# Altium PCB power.PcbDoc (part 2 of 2) (continued)
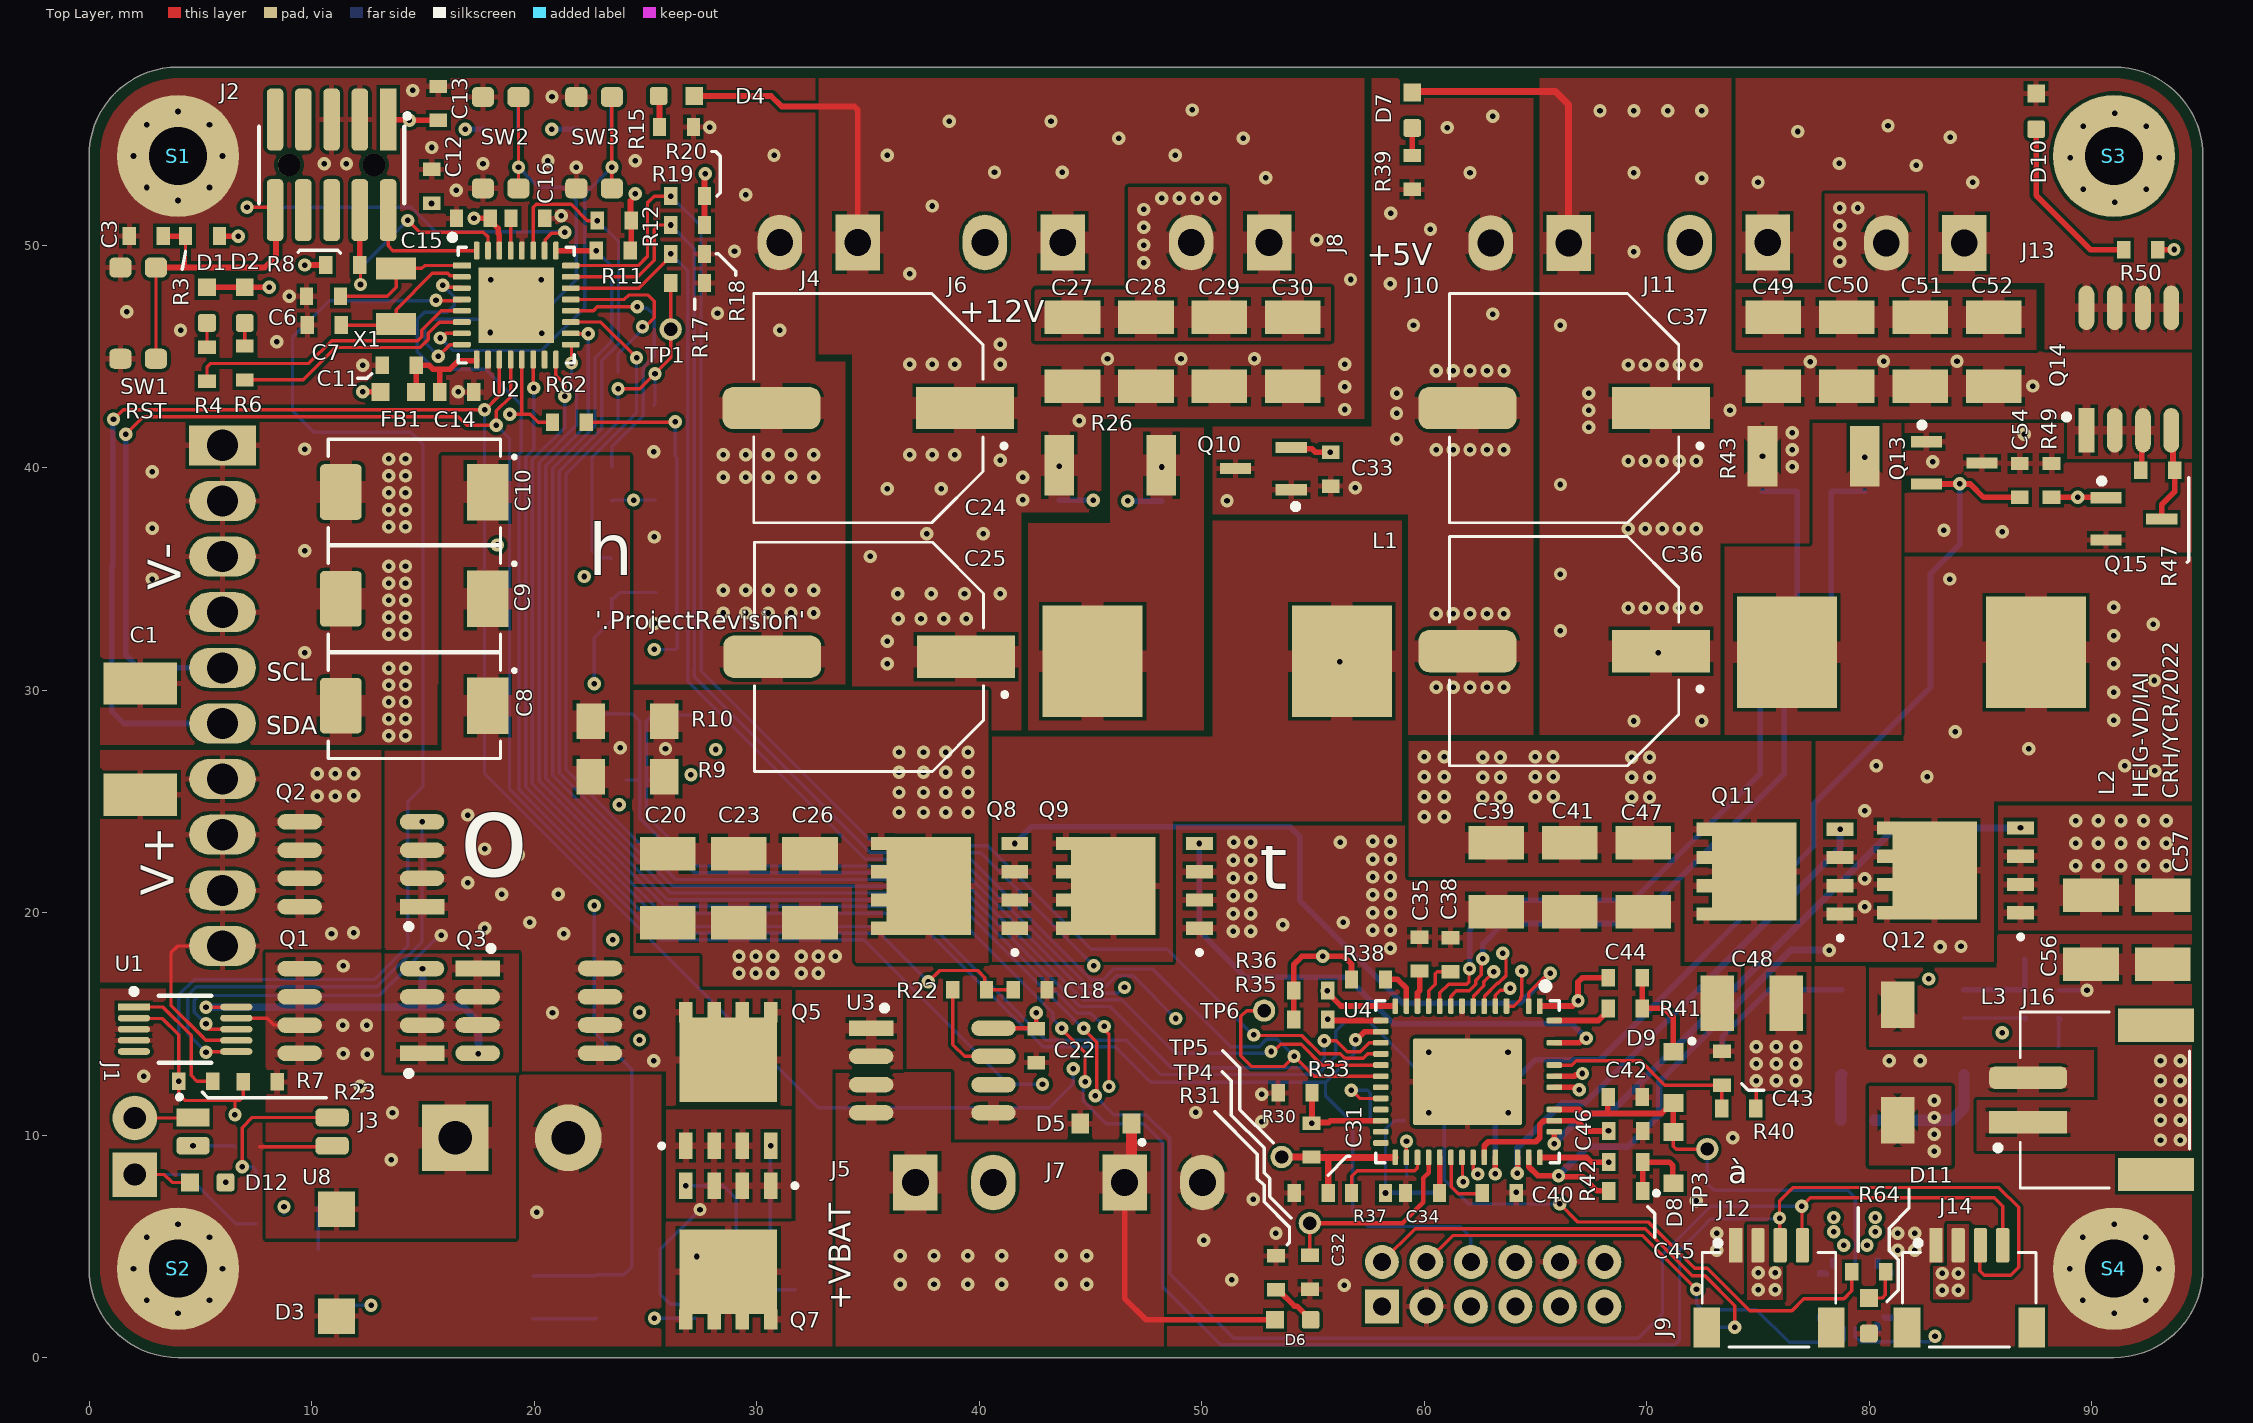
[diagram p0: Top Layer view]
## Nets (pads, with @x,y where several pads share a name; then routed paths per layer and width w, separated by ;. In a path a pad name is that pad's centre, name@x,y a point inside that pad or via, vN(x,y) a via of type N, cw(c..) or ccw(c..) an arc to the next point about the centre after c; other vN are vias at no path point) (continued)
NetD12_2: D12.2 R27.1 | length 3.4
  Top Layer w0.15: D12.2@6.134,7.874 v1(6.147,7.887) D12.2@6.16,7.899
  Inner 2 w0.15: v1(6.147,7.887) 7.252,6.782 v1(8.763,6.782)
  Bottom Layer w0.15: R27.1@8.748,6.462 R27.1@8.966,6.68
NetJ1_2: J1.2 U8.1 | length 2.2
  Top Layer w0.15: J1.2@2.057,10.77 4.266,10.77 U8.1@4.291,10.744
NetL1_1: L1.1 R26.2 R55.2 | length 0.2
  Top Layer w0.254: L1.1@45.1,31.05 L1.1@45.1,31.3
  other v1: 48.2,40.024
NetL2_1: L2.1 R43.2 R52.2
  other v1: 79.8,40.462
NetQ1_1: Q1.1 Q1.2 Q1.3 Q3.1 Q3.2 Q3.3
NetQ1_4: Q1.4 Q3.4 U1.10 | length 17.1
  Top Layer w0.152: v1(5.258,15.748) 5.263,15.753 6.613,15.753 U1.10@6.618,15.757
  Top Layer w0.35: Q1.4@14.966,17.485 14.976,17.485 v1(14.986,17.475) ; Q3.4@17.466,13.68 17.486,13.68 v1(17.501,13.665)
  Bottom Layer w0.35: v1(5.258,15.748) 14.986,15.748 ; v1(14.986,17.475) 14.986,15.748 ; v1(17.501,13.665) 17.501,15.088 16.84,15.748 14.986,15.748
NetQ2_4: Q2.4 U1.6 | length 21.2
  Top Layer w0.152: v1(5.258,13.731) 5.271,13.744 6.605,13.744 U1.6@6.618,13.757
  Bottom Layer w0.152: v1@5.252,13.737 4.429,14.56 4.429,16.27 4.822,16.662 12.929,16.662 14.966,18.7 v1(14.966,24.079)
NetQ4_1: Q4.1 Q6.1 Q16.1 Q17.1 R62.1 | length 54.4
  Top Layer w0.152: R62.1@22.352,42.037 26.314,42.037 v1(26.34,42.062)
  Inner 2 w0.15: v1(12.675,2.362) 12.675,11.455 18.72,17.501 23.749,17.501 25.383,19.135 25.383,31.809 v1(25.4,31.826)
  Bottom Layer w0.15: Q6.1@11.252,2.362 v1(12.675,2.362) ; v1(25.4,31.826) 26.373,31.826 Q16.1@26.433,31.886
  Bottom Layer w0.152: v1(26.34,42.062) 26.34,40.508 26.416,40.432 26.416,32.97 26.433,32.954 Q16.1@26.433,31.886
NetQ5_1: Q5.1 Q5.2 Q5.3 Q7.1 Q7.2 Q7.3 U7.3 | length 6.4
  Bottom Layer w0.152: U7.3@27.311,2.393 26.131,2.393 25.679,2.845 25.679,4.877 v1(27.457,6.655)
NetQ5_4: Q5.4 R21.2 | length 4.9
  Bottom Layer w0.152: R21.2@30.607,4.674 30.607,9.497 v1(30.632,9.522)
NetQ6_3: Q6.3 R27.2 | length 1.9
  Bottom Layer w0.15: R27.2@10.287,6.782 10.302,6.767 Q6.3@10.302,4.862
NetQ7_4: Q7.4 R14.2 R21.1 U7.2 | length 8.4
  Bottom Layer w0.152: v1(26.822,7.724) 28.496,7.724 29.083,7.137 R21.1@29.083,4.674 29.083,3.073 R14.2@29.058,3.048 29.052,3.043 U7.2@27.244,3.043
NetQ7_5: Q7.5 Q7.6 Q7.7 Q7.8 U3.1 U3.2 U7.1 | length 0.9
  Bottom Layer w0.152: v1(27.305,4.547) 27.311,4.54 U7.1@27.311,3.693
NetQ8_4: Q8.4 U4.2 | length 32
  Top Layer w0.152: Q8.4@41.407,23.105 v1(41.6,23.105) ; U4.2@64.7,15.8 64.7,16.389 65.587,17.275 v1(65.66,17.275)
  Bottom Layer w0.254: v1(41.6,23.105) 42.346,23.851 53.975,23.851 54.254,23.571 54.258,23.571 54.407,23.422 54.407,20.549 59.03,15.926 64.31,15.926 v1(65.66,17.275)
NetQ9_4: Q9.4 U4.50 | length 25
  Top Layer w0.152: Q9.4@49.707,23.105 v1(49.9,23.105)
  Top Layer w0.254: U4.50@65.847,14.149 66.982,14.149 67.188,14.355 v1(67.281,14.355)
  Bottom Layer w0.254: v1(49.9,23.105) 49.9,19.163 51.968,17.094 56.54,17.094 58.623,15.011 66.625,15.011 v1(67.281,14.355)
NetQ11_4: Q11.4 U4.38 | length 23.4
  Top Layer w0.254: v1(64.185,8.28) 64.2,8.294 U4.38@64.2,8.998 ; Q11.4@78.5,23.749 78.652,23.826 78.845,23.922 v1(78.692,23.749)
  Bottom Layer w0.305: v1(64.185,8.28) 64.184,8.281 64.184,9.424 66.191,11.431 67.216,11.431 78.69,22.905 78.69,23.747 v1(78.692,23.749)
NetQ12_4: Q12.4 U4.42 | length 27.6
  Top Layer w0.152: U4.42@65.844,10.146 U4.42@65.847,10.149
  Top Layer w0.254: v1(65.844,9.62) U4.42@65.844,10.146 ; Q12.4@86.607,23.805 v1(86.8,23.805)
  Bottom Layer w0.152: v1(65.844,9.62) v1@65.853,9.62
  Bottom Layer w0.305: v1@65.853,9.62 65.853,9.629 67.2,10.976 68.33,10.976 81.158,23.805 v1(86.8,23.805)
NetQ14_4: Q14.4 Q15.3 R47.1 | length 4.4
  Top Layer w0.254: Q15.3@93.148,37.592 93.148,38.335 93.726,38.913 R47.1@93.726,39.878 ; Q14.4@93.574,41.676 93.65,41.599 R47.1@93.65,39.878
NetR1_2: R1.2 U8.2 | length 2.3
  Top Layer w0.15: U8.2@4.329,9.512 4.342,9.525 v1(4.674,9.525)
  Bottom Layer w0.15: v1(4.674,9.525) 6.502,9.525 R1.2@6.553,9.474
NetR22_1: R22.1 U3.7 | length 4.5
  Top Layer w0.152: R22.1@38.811,16.535 38.811,14.072 39.345,13.538 U3.7@40.646,13.538
NetR23_2: R23.2 U1.1 | length 6
  Top Layer w0.152: U1.1@2.018,15.757 3.318,15.757 4.59,14.485 4.59,12.682 4.851,12.421 R23.2@5.563,12.421
NetR24_1: R24.1 U4.28 | length 2.3
  Top Layer w0.152: U4.28@59.2,8.998 59.204,9.001 59.204,9.724 v1(59.207,9.728)
  Bottom Layer w0.152: v1(59.207,9.728) 59.207,8.204 R24.1@59.233,8.179
NetR30_1: R30.1 R33.2 U4.24 | length 4.5
  Top Layer w0.254: v1(54.94,10.541) R30.1@54.962,10.563 ; R33.2@54.962,11.9 R30.1@54.962,10.563 ; U4.24@58.054,10.649 55.785,10.649 55.702,10.566 54.966,10.566 R30.1@54.962,10.563
NetR37_1: R37.1 U4.29 | length 4.3
  Top Layer w0.152: R37.1@56.738,7.4 56.738,8.152 56.987,8.401 59.577,8.401 59.7,8.524 U4.29@59.7,8.998
NetR38_1: R38.1 U4.13 | length 1.9
  Top Layer w0.254: R38.1@58.262,17 58.8,17 59.2,16.6 U4.13@59.2,15.8
NetR41_1: R41.1 U4.52 | length 2.7
  Top Layer w0.254: U4.52@65.847,15.149 67.827,15.149 68.275,15.597 R41.1@68.275,15.697
NetR42_1: R42.1 U4.40 | length 3.2
  Top Layer w0.254: U4.40@65.2,8.998 67.304,8.998 67.513,8.788 v1(68.301,8.788)
NetR44_2: R44.2 U5.4 | length 7.1
  Bottom Layer w0.254: R44.2@73.406,13.589 73.406,14.43 75.512,16.535 U5.4@78.76,16.535
NetR45_2: R45.2 R46.1 U5.5 | length 4.1
  Bottom Layer w0.254: U5.5@84.258,16.535 86.97,16.535 R46.1@86.995,16.51 R45.2@86.995,17.907
NetR51_2: R51.2 U5.6 | length 2.8
  Bottom Layer w0.152: U5.6@84.258,15.265 86.97,15.265 R51.2@86.995,15.24
  Bottom Layer w0.254: R51.2@86.995,15.24 R51.2@87.005,15.25
NetR60_2: R60.2 R61.1 U4.22 | length 3.6
  Top Layer w0.15: v1(56.718,12.014) 56.73,12.014 57.095,11.649 U4.22@58.054,11.649
  Bottom Layer w0.15: v1(56.718,12.014) 57.455,12.014 R61.1@57.582,11.887 R60.2@57.582,10.668
nFAULT-5V: R20.1 U2.24 U4.18 | length 66.9
  Top Layer w0.152: U2.24@21.649,49.078 24.673,49.078 25.098,49.502 25.098,51.898 25.4,52.2 v1(26.138,52.2) ; v1(52.349,14.502) 52.374,14.478 54.508,14.478 55.338,13.649 56.225,13.649 56.422,13.451 57.261,13.451 57.458,13.649 U4.18@58.054,13.649
  Bottom Layer w0.152: v1(26.138,52.2) 27.503,50.835 27.503,32.94 27.514,32.93 27.514,30.842 35.355,23 40.398,23 45.047,18.351 48.452,18.351 52.301,14.502 v1(52.349,14.502)
nFAULT-12V: R12.1 U2.27 U4.17 | length 75.3
  Top Layer w0.152: 19.961,50.706 19.961,51.694 20.103,51.835 21.665,51.835 22.4,51.1 v1(22.838,51.1) ; U2.27@19.962,49.749 19.962,50.706 ; v1(55.509,14.246) 56.055,14.246 56.548,13.754 57.135,13.754 57.531,14.149 U4.17@58.054,14.149
  Bottom Layer w0.152: v1(22.838,51.1) 23.797,50.141 23.797,45.559 23.043,44.805 23.043,41.747 21.136,39.84 21.136,26.29 26.24,21.186 39.127,21.186 44.535,15.778 45.893,15.778 48.646,13.025 54.488,13.025 54.494,13.031 55.102,13.031 55.509,13.438 v1(55.509,14.246)
nRESET: C3.2 J2.10 R3.1 SW1.2 U2.26 | length 31.8
  Top Layer w0.15: SW1.2@3.01,44.889 SW1.2@3.01,48.989 ; 4.293,48.989 4.338,49.035 R3.1@4.338,50.4
  Top Layer w0.152: v1(7.1,51.7) 8.225,51.7 J2.10@8.36,51.565 ; U2.26@20.47,49.749 20.494,49.773 20.494,50.237 20.785,50.527 21.327,50.527 v1(21.374,50.574)
  Top Layer w0.254: SW1.2@3.01,48.989 4.293,48.989 7.889,48.989 8.4,49.5 8.4,51.525 J2.10@8.36,51.565 ; C3.2@3.337,50.4 R3.1@4.338,50.4
  Bottom Layer w0.152: v1(7.1,51.7) 14.475,51.7 15.575,50.6 21.348,50.6 v1(21.374,50.574)
PB1: C62.2 R57.1 SW3.2 U2.7 | length 22.6
  Top Layer w0.152: v1(15.778,45.822) 15.83,45.822 16.038,46.03 U2.7@16.751,46.03 ; SW3.2@23.5,52.55 SW3.2@23.5,56.65
  Bottom Layer w0.152: v1(15.778,45.822) 16.337,45.263 20.345,45.263 22.274,47.191 22.274,52.274 v1(23.5,53.5) 23.5,55.162 R57.1@23.462,55.2 23.437,55.225 C62.2@23.437,56.6
PB2: C63.2 R58.1 SW2.2 U2.8 | length 24.5
  Top Layer w0.152: v1(15.7,45) 16.222,45.522 U2.8@16.751,45.522 ; SW2.2@19.3,52.55 v1(19.3,53.5) SW2.2@19.3,56.65
  Bottom Layer w0.152: v1(15.7,45) 15.1,45.6 15.1,46.342 15.429,46.671 20.128,46.671 21.9,48.443 21.9,52 21.3,52.6 20.2,52.6 v1(19.3,53.5) 19.3,55.162 R58.1@19.262,55.2 19.262,56.575 C63.2@19.237,56.6
PGOOD-5V: R11.1 U2.25 U4.33 | length 77.8
  Top Layer w0.152: v1(45.616,14.885) 45.616,14.763 45.837,14.543 v1(45.837,12.185) ; U4.33@61.7,8.998 61.724,8.974 61.724,7.92 v1(61.747,7.897)
  Top Layer w0.254: U2.25@20.978,49.749 v1(22.8,49.749)
  Inner 2 w0.152: v1@45.844,12.192 47.749,10.287 50.825,10.287 53.162,7.95 61.694,7.95 v1(61.747,7.897)
  Bottom Layer w0.152: v1(22.8,49.749) 23.495,49.054 23.495,45.684 22.741,44.93 22.741,41.872 20.834,39.966 20.834,26.164 26.115,20.883 39.002,20.883 44.409,15.476 45.025,15.476 v1(45.616,14.885)
PGOOD-12V: R19.1 U2.23 U4.34 | length 83.5
  Top Layer w0.152: U2.23@21.649,48.57 23.314,48.57 23.317,48.572 24.654,48.572 25.4,49.318 25.4,50.711 25.589,50.9 v1(26.138,50.9) ; v1@62.2,8.437 U4.34@62.2,8.998
  Inner 2 w0.152: v1(45.156,17.608) 43.161,17.608 41.453,15.9 41.453,12.141 43.609,9.985 50.594,9.985 53.052,7.527 54.613,7.527 55.29,6.85 62.095,6.85 62.484,7.239 62.484,8.175 v1(62.408,8.251)
  Bottom Layer w0.152: v1(26.138,50.9) 27.201,49.837 27.201,32.815 27.211,32.805 27.211,30.967 27.201,30.957 27.201,30.609 35.113,22.698 40.067,22.698 v1(45.156,17.608)
PSU_I2C.SCL: J9.4 J15.5 R34.1 R36.1 U2.12 U4.14 U6.19 | length 143.1
  Top Layer w0.15: 16.5,42.289 16.583,42.289 16.971,41.9 v1(18.3,41.9) 18.3,42.542 18.946,43.188 U2.12@18.946,44.851 ; v1(55.651,16.485) 55.651,16.489 R36.1@55.662,16.5 ; J9.4@60.1,4.3 61.286,5.486 69.825,5.486 v1(72.238,3.073)
  Top Layer w0.152: v1(1.651,41.504) 2.436,42.289 16.5,42.289
  Top Layer w0.254: R36.1@55.762,16.3 56.262,15.8 U4.14@58.7,15.8
  Inner 2 w0.15: v1(42.85,12.294) 42.85,13.36 43.078,13.589 43.358,13.868 49.835,13.868 52.451,16.485 v1(55.651,16.485) 55.695,16.441 56.177,16.441 60.909,11.709 61.925,11.709 65.325,8.309 65.325,6.581 64.246,5.501 61.301,5.501 J9.4@60.1,4.3
  Bottom Layer w0.15: v1(18.3,41.9) 18.898,41.302 18.898,25.536 25.66,18.774 34.82,18.774 41.3,12.294 v1(42.85,12.294) ; v1(72.238,3.073) R34.1@72.238,3.048 72.238,2.413 72.492,2.159 74.93,2.159 76.403,0.686 78.787,0.686 78.875,0.774 U6.19@78.875,1.344
  Bottom Layer w0.254: v1(1.651,41.504) 1.651,31.572 2.223,31 J15.5@6,31 J15.5@6.6,31
PSU_I2C.SDA: J9.2 J15.6 R35.1 R54.1 U2.11 U4.15 U6.18 | length 158.1
  Top Layer w0.152: v1(1.1,42.164) 1.101,42.164 1.528,42.591 v1(17.775,42.591) ; v1@17.8,42.6 18.438,43.238 U2.11@18.438,44.851 ; J9.2@58.1,4.3 59.594,5.794 69.943,5.794 72.052,3.685 72.621,3.685 73.965,2.341 v1(73.965,1.372)
  Top Layer w0.254: R35.1@55.713,15.149 U4.15@58.054,15.149
  Inner 2 w0.15: v1(73.965,1.372) 75.291,1.372 75.698,0.965 v1(82.956,0.965)
  Inner 2 w0.152: v1(44.235,12.99) 56.185,12.99 ; v1(55.662,15.2) 56.185,14.677 56.185,12.99 ; J9.2@58.1,4.3 60.15,6.35 64.668,6.35 65.024,6.706 65.024,8.185 62.896,10.312 59.639,10.312 56.962,12.99 56.185,12.99
  Bottom Layer w0.152: v1(17.775,42.591) 17.774,42.59 17.774,26.234 32.781,11.227 43.158,11.227 44.235,12.303 v1(44.235,12.99) ; R54.1@73.025,1.472 R54.1@73.025,1.372 v1(73.965,1.372) ; U6.18@79.375,1.344 79.375,0.942 79.606,0.711 82.702,0.711 v1(82.956,0.965)
  Bottom Layer w0.254: v1(1.1,42.164) 1.074,42.138 1.074,35.58 1.016,35.522 1.016,29.058 1.574,28.5 J15.6@6,28.5
QWIIC_I2C.SCL: J12.4 J14.4 R34.2 U2.18 | length 110.4
  Top Layer w0.15: J12.4@77,5.05 76.981,5.069 76.981,6.789 v1(76.962,6.808) 77.342,7.188 85.623,7.188 86.004,6.807 86.002,6.805 86.002,5.052 J14.4@86,5.05
  Top Layer w0.152: U2.18@21.649,46.03 21.658,46.021 22.429,46.021 v1(22.438,46.012) ; v1(44.704,14.799) 44.704,14.754 45.287,14.171 45.287,12.177 45.279,12.17 45.279,11.823 v1(45.218,11.762)
  Bottom Layer w0.15: 69.52,0.879 69.611,0.879 70.714,1.981 R34.2@70.714,3.048 70.714,4.648 72.874,6.808 v1(76.962,6.808)
  Bottom Layer w0.152: v1(22.438,46.012) 22.438,41.997 20.532,40.091 20.532,26.039 25.99,20.581 38.877,20.581 44.659,14.799 v1(44.704,14.799) ; v1(45.218,11.762) 46.058,10.922 47.495,10.922 48.562,9.855 48.562,3.762 51.445,0.879 69.52,0.879
QWIIC_I2C.SDA: J12.3 J14.3 R54.2 U2.17 | length 116
  Top Layer w0.15: J12.3@76,5.05 75.986,5.064 75.986,6.259 v1(75.971,6.274) 75.971,7.061 76.556,7.645 85.827,7.645 86.716,6.756 86.716,4.064 86.36,3.708 85.166,3.708 84.963,3.912 84.963,5.013 J14.3@85,5.05 J14.3@84.981,5.068
  Top Layer w0.152: U2.17@21.649,45.522 21.682,45.489 v1(21.682,44.7) ; v1(43.712,14.799) 43.712,14.756 44.761,13.708 v1(44.761,12.395)
  Bottom Layer w0.152: v1(21.682,44.7) 21.682,43.642 21.906,43.418 21.906,41.893 20.229,40.216 20.229,25.914 25.865,20.278 38.53,20.278 43.307,15.502 43.307,15.238 43.712,14.833 v1(43.712,14.799) ; v1(44.761,12.395) 44.675,12.31 44.675,11.963 44.668,11.955 44.668,11.568 45.72,10.516 47.396,10.516 48.26,9.652 48.26,3.175 50.859,0.576 71.264,0.576 71.476,0.787 71.476,1.372 71.476,4.826 72.428,5.778 72.881,6.232 75.929,6.232 v1(75.971,6.274)
SWC: J2.4 R8.1 U2.31 | length 11.6
  Top Layer w0.152: R8.1@12.162,49.1 12.2,49.062 v1(12.2,48.226) ; v1(14.326,51.105) 14.857,50.574 17.726,50.574 17.93,50.37 U2.31@17.93,49.749
  Top Layer w0.254: R8.1@12.162,49.1 12.166,49.104 12.166,51.561 J2.4@12.17,51.565
  Bottom Layer w0.152: v1(12.2,48.226) 12.2,48.979 v1(14.326,51.105)
SWD: J2.2 U2.32 | length 5.7
  Top Layer w0.152: J2.2@13.44,51.565 13.44,49.96 13.651,49.749 U2.32@17.422,49.749
VBAT: C1.2 J15.7 J15.8 J15.9 J15.10 Q2.5 Q2.6 Q2.7 Q2.8 U1.7 | length 9
  Top Layer w0.152: J15.10@6,18.5 3.997,18.5 3.683,18.186 3.683,15.829 5.057,14.455 5.254,14.257 U1.7@6.618,14.257
  Top Layer w0.254: J15.8@6,23.5 J15.8@6.6,23.5
  other v1: 10.897,19.05 11.887,19.088 10.262,25.238 11.062,25.238 11.9,25.248 10.262,26.238 11.062,26.238 11.9,26.248
VEXT: D3.1 J3.1 Q1.5 Q1.6 Q1.7 Q1.8 R7.2 U1.9 | length 3
  Top Layer w0.152: U1.9@6.618,15.257 8.018,15.257 8.329,14.947 9.467,14.947 Q1.7@9.468,14.945
  other v1: 13.589,8.89 13.64,10.998 12.192,12.192 12.497,13.64 11.43,13.665 11.405,14.935 12.471,14.935 11.43,17.602
VEXT_MON: C5.2 R5.2 R7.1 R23.1 U1.2 U2.4 | length 65.5
  Top Layer w0.15: R23.1@4.013,12.446 v1(4.039,12.421) 4.039,11.811 4.293,11.557 6.558,11.557 ; v1(6.558,10.916) 6.558,11.557 ; R7.1@6.934,12.395 6.934,11.709 6.782,11.557 6.558,11.557
  Top Layer w0.152: U1.2@2.018,15.257 2.035,15.24 3.302,15.24 4.039,14.503 4.039,12.471 R23.1@4.013,12.446 ; v1(15.592,47.515) 15.607,47.5 16.129,47.5 16.131,47.503 16.7,47.503 U2.4@16.751,47.554
  Bottom Layer w0.15: R5.2@6.533,10.942 v1(6.558,10.916)
  Bottom Layer w0.152: v1(4.039,12.421) 4.039,16.307 4.724,16.993 12.827,16.993 14.326,18.491 14.326,24.994 15.011,25.679 15.011,41.021 14.453,41.58 10.109,41.58 9.144,42.545 9.144,45.847 10.797,47.5 14.249,47.5 15.577,47.5 v1(15.592,47.515)
XIN32: C6.2 U2.1 X1.2 | length 6.4
  Top Layer w0.152: C6.2@11.3,47.7 13.4,47.7 13.8,48.1 13.8,48.75 X1.2@13.889,48.839 ; X1.2@13.8,48.95 14.95,48.95 15.078,49.078 U2.1@16.751,49.078
XOUT32: C7.2 U2.2 X1.1 | length 7.1
  Top Layer w0.152: C7.2@11.337,46.4 13.65,46.4 13.8,46.25 13.8,47.1 15.426,48.726 16.118,48.726 16.223,48.621 16.7,48.621 U2.2@16.751,48.57
pads on no net: J2. J2.6 J2.7 J2.8 J2.9 J9.1 J9.7 J9.8 J9.9 J9.11 J9.12 J12.S1 J12.S2 J14.S1 J14.S2 J16.S1 J16.S2 U1.5 U2.15 U3.6 U4.21 U4.23 U4.25 U4.26 U6.1 U6.13 U6.15 U6.16 U6.20 U7.7
copper on no net:
  other v1: 24.74,14.275 24.74,15.519

## Polygon pours and split planes (outlines as drawn)
GND on Top Layer "GND_L01_P084" (solid, remove dead copper, pour order 84): 24.384,23.9 71.5,23.9 71.5,17.8 71.5,17.6 95.094,17.6 95.137,0.158 24.384,0.04
NetC20_2 on Top Layer "NETC20_2_L01_P049" (solid, remove dead copper, pour order 49): 24.409,30 24.409,21.3 34.429,21.3 34.429,17.724 40.4,17.752 40.4,21.3 40.4,30 27.4,30
NetQ7_5 on Top Layer "NETQ7_5_L01_P034" (solid, pour order 34): 31.75,6.121 31.75,16.51 36.576,16.51 36.576,12.954 33.401,12.954 33.401,0.254 25.908,0.254 25.908,6.121
+VMAIN on Top Layer "+VMAIN_L01_P048" (solid, remove dead copper, pour order 48): 31.598,11.278 25.937,11.278 25.937,12.878 13.288,12.878 13.288,27.28 15.85,27.28 15.85,40.538 22.715,40.538 24.308,40.538 24.308,18.042 27.422,18.042 27.422,16.528 31.598,16.51 31.598,12.878
GND on Top Layer "CC" (solid, remove dead copper, pour order 80): 0,58 32.639,58 32.639,44.755 33.985,44.755 33.985,30.251 15.646,30.251 15.646,27.551 0,27.551
GND on Top Layer "GND_L01_P077" (solid, remove dead copper, pour order 77): 0,16.586 25.705,16.586 25.705,0 0,0
VBAT on Top Layer "VBAT_L01_P046" (solid, remove dead copper, pour order 46): 0,27.3 13.132,27.3 13.132,16.867 0,16.867
VEXT on Top Layer "VEXT_L01_P036" (solid, remove dead copper, pour order 36): 7.95,5.359 19.177,5.359 19.177,12.693 13.126,12.693 13.143,18.186 7.95,18.186
NetC44_2 on Top Layer "NETC44_2_L01_P053" (solid, remove dead copper, pour order 53): 40.6,17.8 48.7,17.8 48.7,24.1 59,24.1 59,37.6 50.501,37.6 50.496,27.9 48.7,27.9 40.6,27.9
GND on Top Layer "GND_L01_P072" (solid, remove dead copper, pour order 72): 81.585,42.1 95,42.1 95,36.2 81.585,36.2
NetC64_2 on Top Layer "NETC64_2_L01_P007" (solid, pour order 7): 75.489,5.969 74.524,5.969 74.524,2.591 76.124,2.591 76.124,4.089 75.489,4.089
NetD5_1 on Top Layer "NETD5_1_L01_P069" (solid, remove dead copper, pour order 69): 33.528,12.827 38.735,12.827 38.735,9.653 48.3,9.648 48.3,0 33.528,0
NetC66_2 on Top Layer "NETC66_2_L01_P021" (solid, pour order 21): 83.515,5.994 84.48,5.994 84.48,2.616 82.88,2.616 82.88,4.115 83.515,4.115
NetC53_2 on Top Layer "NETC53_2_L01_P032" (solid, pour order 32): 80.01,12.192 83.693,12.192 83.693,8.636 80.01,8.636
NetQ1_1 on Top Layer "NETQ1_1_L01_P035" (solid, pour order 35): 13.284,18.161 19.304,18.161 19.304,12.827 13.284,12.827
+3.3V on Top Layer "+3.3V_L01_P082" (solid, pour order 82): 80.01,17.526 85.725,17.526 85.725,19.05 94.742,19.05 94.742,9.304 84.836,9.304 84.836,11.557 90.262,11.557 90.262,13.966 80.01,13.97
+5VP on Top Layer "+5VP_L01_P044" (solid, remove dead copper, pour order 44): 74,48.3 87.9,48.3 87.9,45.314 95,45.314 95,58 87.5,58 74,58
+5V on Top Layer "+5V_L01_P055" (solid, remove dead copper, pour order 55): 65.2,58 65.2,28 73.3,28 73.3,36.6 77.312,36.6 77.312,42.164 88.9,42.164 88.9,40.386 95,40.386 95,42.418 95,45.2 73.8,45.2 73.8,58
NetQ5_1 on Top Layer "NETQ5_1_L01_P033" (solid, pour order 33): 25.933,11.151 31.547,11.151 31.547,6.274 25.933,6.274
+12V on Top Layer "+12V_L01_P074" (solid, remove dead copper, pour order 74): 32.8,45.1 34.3,45.1 34.3,28.194 41.9,28.194 41.9,38 45.5,38 45.5,42.2 57.3,42.2 57.3,58 32.8,58
NetL2_1 on Top Layer "NETL2_1_L01_P056" (solid, remove dead copper, pour order 56): 73.5,42.1 81.432,42.1 81.432,28 73.5,28
GND on Top Layer "GND_L01_P054" (solid, remove dead copper, pour order 54): 57.634,58 57.634,41.83 50.5,41.83 50.5,37.9 59.276,37.9 59.276,28 64.9,28 64.9,58
NetL1_1 on Top Layer "NETL1_1_L01_P050" (solid, remove dead copper, pour order 50): 42.2,37.5 45.9,37.5 45.9,41.8 50.1,41.8 50.1,28.2 42.2,28.2
GND on Top Layer "GND_L01_P045" (solid, remove dead copper, pour order 45): 55.8,45.7 42.5,45.7 42.5,47.9 42.4,48 46.7,48 46.7,52.6 51.1,52.6 51.1,48 51.2,48.1 55.8,48.1
GND on Top Layer "GND_L01_P043" (solid, remove dead copper, pour order 43): 74,45.3 87.5,45.3 87.5,48 82.5,48 82.5,52.3 78,52.3 78,48 74,48
GND on Top Layer "GND_L01_P061" (solid, remove dead copper, pour order 61): 85.8,19.2 94.7,19.2 94.7,24.8 85.8,24.8
NetC45_2 on Top Layer "NETC45_2_L01_P060" (solid, remove dead copper, pour order 60): 77.6,17.8 85.6,17.8 85.6,25 95,25 95,36 81.559,36 81.559,27.7 77.6,27.7
NetC20_2 on Top Layer "NETC20_2_L01_P041" (solid, remove dead copper, pour order 41): 59.3,27.7 77.4,27.7 77.4,17.8 71.7,17.8 71.7,21.6 59.3,21.6
+VMAIN on Top Layer "+VMAIN_L01_P071" (solid, remove dead copper, pour order 71): 74.4,17.6 77.4,17.6 77.4,12 74.4,12
GND on Bottom Layer "GND_L06_P085" (solid, remove dead copper, pour order 85): 0,57.912 94.996,57.912 94.996,0 0,0
VBAT on Bottom Layer "VBAT_L06_P078" (solid, remove dead copper, pour order 78): 0.357,27.313 13.564,27.313 13.564,16.8 0.357,16.8
VEXT on Bottom Layer "VEXT_L06_P079" (solid, remove dead copper, pour order 79): 9.966,7.645 19.066,7.645 19.066,12.231 19.066,16.631 9.966,16.631
NetC20_2 on Bottom Layer "NETC20_2_L06_P083" (solid, remove dead copper, pour order 83): 71.807,29.21 35.306,29.21 35.306,23.9 71.752,23.9
NetC45_2 on Bottom Layer "NETC45_2_L06_P070" (solid, remove dead copper, pour order 70): 77.596,17.78 85.596,17.78 85.596,24.98 94.996,24.98 94.996,35.98 82.696,35.98 82.696,30.124 77.596,24.769
NetD5_1 on Bottom Layer "NETD5_1_L06_P064" (solid, pour order 64): 48.031,9.804 35.535,9.804 35.535,3.632 35.535,0.838 48.031,0.838
NetQ1_1 on Bottom Layer "NETQ1_1_L06_P076" (solid, remove dead copper, pour order 76): 13.716,16.8 17.424,16.8 17.424,27.3 13.716,27.3
+3.3V on Bottom Layer "+3.3V_L06_P025" (solid, pour order 25): 80.594,4.089 78.08,4.089 78.08,6.731 79.68,6.731 79.68,8.015 80.594,8.003 80.594,6.731
NetC64_2 on Bottom Layer "NETC64_2_L06_P040" (solid, pour order 40): 74.578,4.181 78.058,4.181 78.058,2.632 74.578,2.632
NetC66_2 on Bottom Layer "NETC66_2_L06_P047" (solid, pour order 47): 80.696,4.166 84.176,4.166 84.176,2.616 80.696,2.616
+VMAIN on Bottom Layer "+VMAIN_L06_P063" (solid, pour order 63): 79.375,15.875 74.295,15.875 74.295,11.811 79.375,11.811
NetC53_2 on Bottom Layer "NETC53_2_L06_P062" (solid, pour order 62): 82.296,12.065 85.217,12.065 85.217,8.763 82.296,8.763
+5VP on Bottom Layer "+5VP_L06_P068" (solid, remove dead copper, pour order 68): 74.022,45.491 87.922,45.491 95.022,45.491 95.022,57.912 87.522,57.912 74.022,57.912
+12V on Bottom Layer "+12V_L06_P081" (solid, remove dead copper, pour order 81): 32.8,45 34.3,45 34.3,30.2 41.9,30.2 41.9,37.9 42.594,37.898 42.597,39.391 45.5,39.395 45.5,42.1 57.3,42.1 57.3,57.5 32.8,57.5
+5V on Bottom Layer "+5V_L06_P075" (solid, remove dead copper, pour order 75): 65.215,58.008 65.215,28.008 73.315,28.008 73.315,36.608 77.327,36.608 77.287,42.281 95.015,42.329 95.015,45.208 73.815,45.208 73.815,58.008
+VMAIN on Inner 1 "+VMAIN_L03_P088" (solid, pour order 88): 79.248,5.842 31.852,5.842 27.026,1.016 18.542,1.016 18.542,18.542 14.986,18.542 14.986,28.702 29.718,28.702 29.718,22.606 79.248,22.606
VEXT on Inner 1 "VEXT_L03_P089" (solid, remove dead copper, pour order 89): 7.897,5.359 10.16,5.359 17.577,5.359 17.577,12.693 17.593,18.186 7.897,18.186
+5V on Inner 1 "+5V_L03_P087" (solid, pour order 87): 64.355,58 88.321,58 88.392,57.929 88.392,27.94 64.515,27.94
+12V on Inner 1 "+12V_L03_P086" (solid, pour order 86): 32.766,58 57.658,58 57.658,28 32.766,28
GND on GND "GND_L02_P090" (solid, pour order 90): 0,57.912 0.088,58 95,58 95,0.004 94.996,0 0,0
NetD5_1 on PWR "NETD5_1_L05_P095" (solid, pour order 95): 35,10 48,10 48,0.5 35,0.5
VEXT on PWR "VEXT_L05_P094" (solid, pour order 94): 10.5,18.5 19.5,18.5 19.5,5 10.5,5
NetC20_2 on PWR "NETC20_2_L05_P093" (solid, pour order 93): 73.5,27.5 32.5,27.5 32.5,20 73.5,20
+12V on PWR "+12V_L05_P092" (solid, pour order 92): 32.5,57.42 58.187,57.42 58.187,28 32.5,28
+5V on PWR "+5V_L05_P091" (solid, pour order 91): 59,57.5 86.5,57.5 86.5,28 59,28
+3.3V on PWR "+3.3V_L05_P096" (solid, pour order 96): 29.5,58.068 29.5,19 94.882,19 94.882,0.072 94.878,0.068 -0.118,0.068 -0.118,16.839 8.677,16.839 8.677,43 0.005,43 -0.118,58.068

## Other copper
Inner 2:
  text "INNER2" at 1.778,18.542 h1 r90
Inner 1:
  text "INNER1" at 1.778,25.019 h1 r90

## Silkscreen, mask and mechanical layers (free items; w line width, h text height)
Top Overlay:
  lines w0.15: 51.333,10.897 52.807,9.423 52.807,8.306 53.061,8.052 53.061,7.239 54.026,6.274 ; 74.27,12.319 74.574,12.014 75.26,12.014 ; 80.797,2.515 81.305,3.023 81.305,4.394 80.899,4.801 80.899,5.817 81.788,6.706 81.788,7.569 ; 94.285,35.738 94.361,35.814 94.361,39.548
  lines w0.152: 4.191,48.92 4.338,49.717 ; 5.08,11.938 5.334,11.684 10.668,11.684 ; 9.398,49.682 9.474,49.759 11.176,49.759 11.303,49.632 ; 12.065,44.018 12.51,44.018 12.51,44.031 12.7,44.221 ; 27.229,47.117 27.229,47.574 ; 27.991,54.204 28.169,54.204 28.372,54 28.372,52.349 28.219,52.197 ; 28.194,49.606 28.27,49.606 29.058,48.819 29.058,48.641 ; 50.584,11.062 52.507,9.139 52.507,8.047 52.807,7.747 52.807,7.01 53.95,5.867 53.95,5.182 53.848,5.08 ; 50.927,12.852 51.333,12.446 51.333,10.897 ; 50.952,13.792 51.714,13.03 51.714,11.151 53.213,9.652 ; 55.687,8.199 56.531,9.042 56.667,9.042 ; 70.053,6.782 70.358,6.477 70.358,5.41 ; 79.502,4.775 79.502,6.731
  text "+5V" at 57.426,49.095 h1
  text "+12V" at 39.113,46.53 h1
  text "RST" at 1.626,42.189 h0.7
  text "V-" at 4.12,34.488 h1.5 r90
  text "h" at 22.428,34.388 h4
  text "'.ProjectRevision'" at 22.745,32.723 h0.8
  text "SCL" at 7.993,30.421 h0.8
  text "SDA" at 7.968,28.008 h0.8
  text "HEIG-VD/IAI" at 92.55,25.128 h0.7 r90
  text "CRH/YCR/2022" at 93.878,25.121 h0.7 r90
  text "V+" at 3.815,20.747 h1.5 r90
  text "o" at 16.637,20.39 h6.4
  text "t" at 52.602,20.316 h4
  text "à" at 73.659,7.476 h1.78
  text "+VBAT" at 34.242,2.13 h1 r90
Bottom Overlay:
  drawing of 220 lines, arcs and shapes, not listed
  text "+12V" at 30.68,57.204 h1 r180
  text "+12V" at 39.824,57.204 h1 r180
  text "+12V" at 48.968,57.204 h1 r180
  text "+5V" at 80.87,57.179 h1 r180
  text "+5V" at 73.352,57.128 h1 r180
  text "+5V" at 63.675,57.052 h1 r180
  text "Q" at 59.07,29.169 h5
  text "e" at 89.84,29.075 h8
  text "DJI MAVIC 2" at 11.884,27.683 h1 r270
  text "Club de Robotique" at 58.81,26.958 h2
  text "+VEXT" at 20.272,6.931 h1
  text "+15V" at 50.141,1.552 h1
  text "+15V" at 40.872,1.521 h1
Board Shape:
  the board outline again, w0.254

## Dimensions
91,4 to 91,54 on Top Dimensions
4,4 to 91,4 on Top Dimensions
4,58 to 4,0 on Top Dimensions
0,54 to 95,54 on Top Dimensions

## Text inside footprints (layer, text, board x,y; h text height)
U2: Top 3D Body "*" at 16.838,48.697 h1.27